# Altium PCB PCB_MotherBoard.PcbDoc (part 1 of 4) (continued)
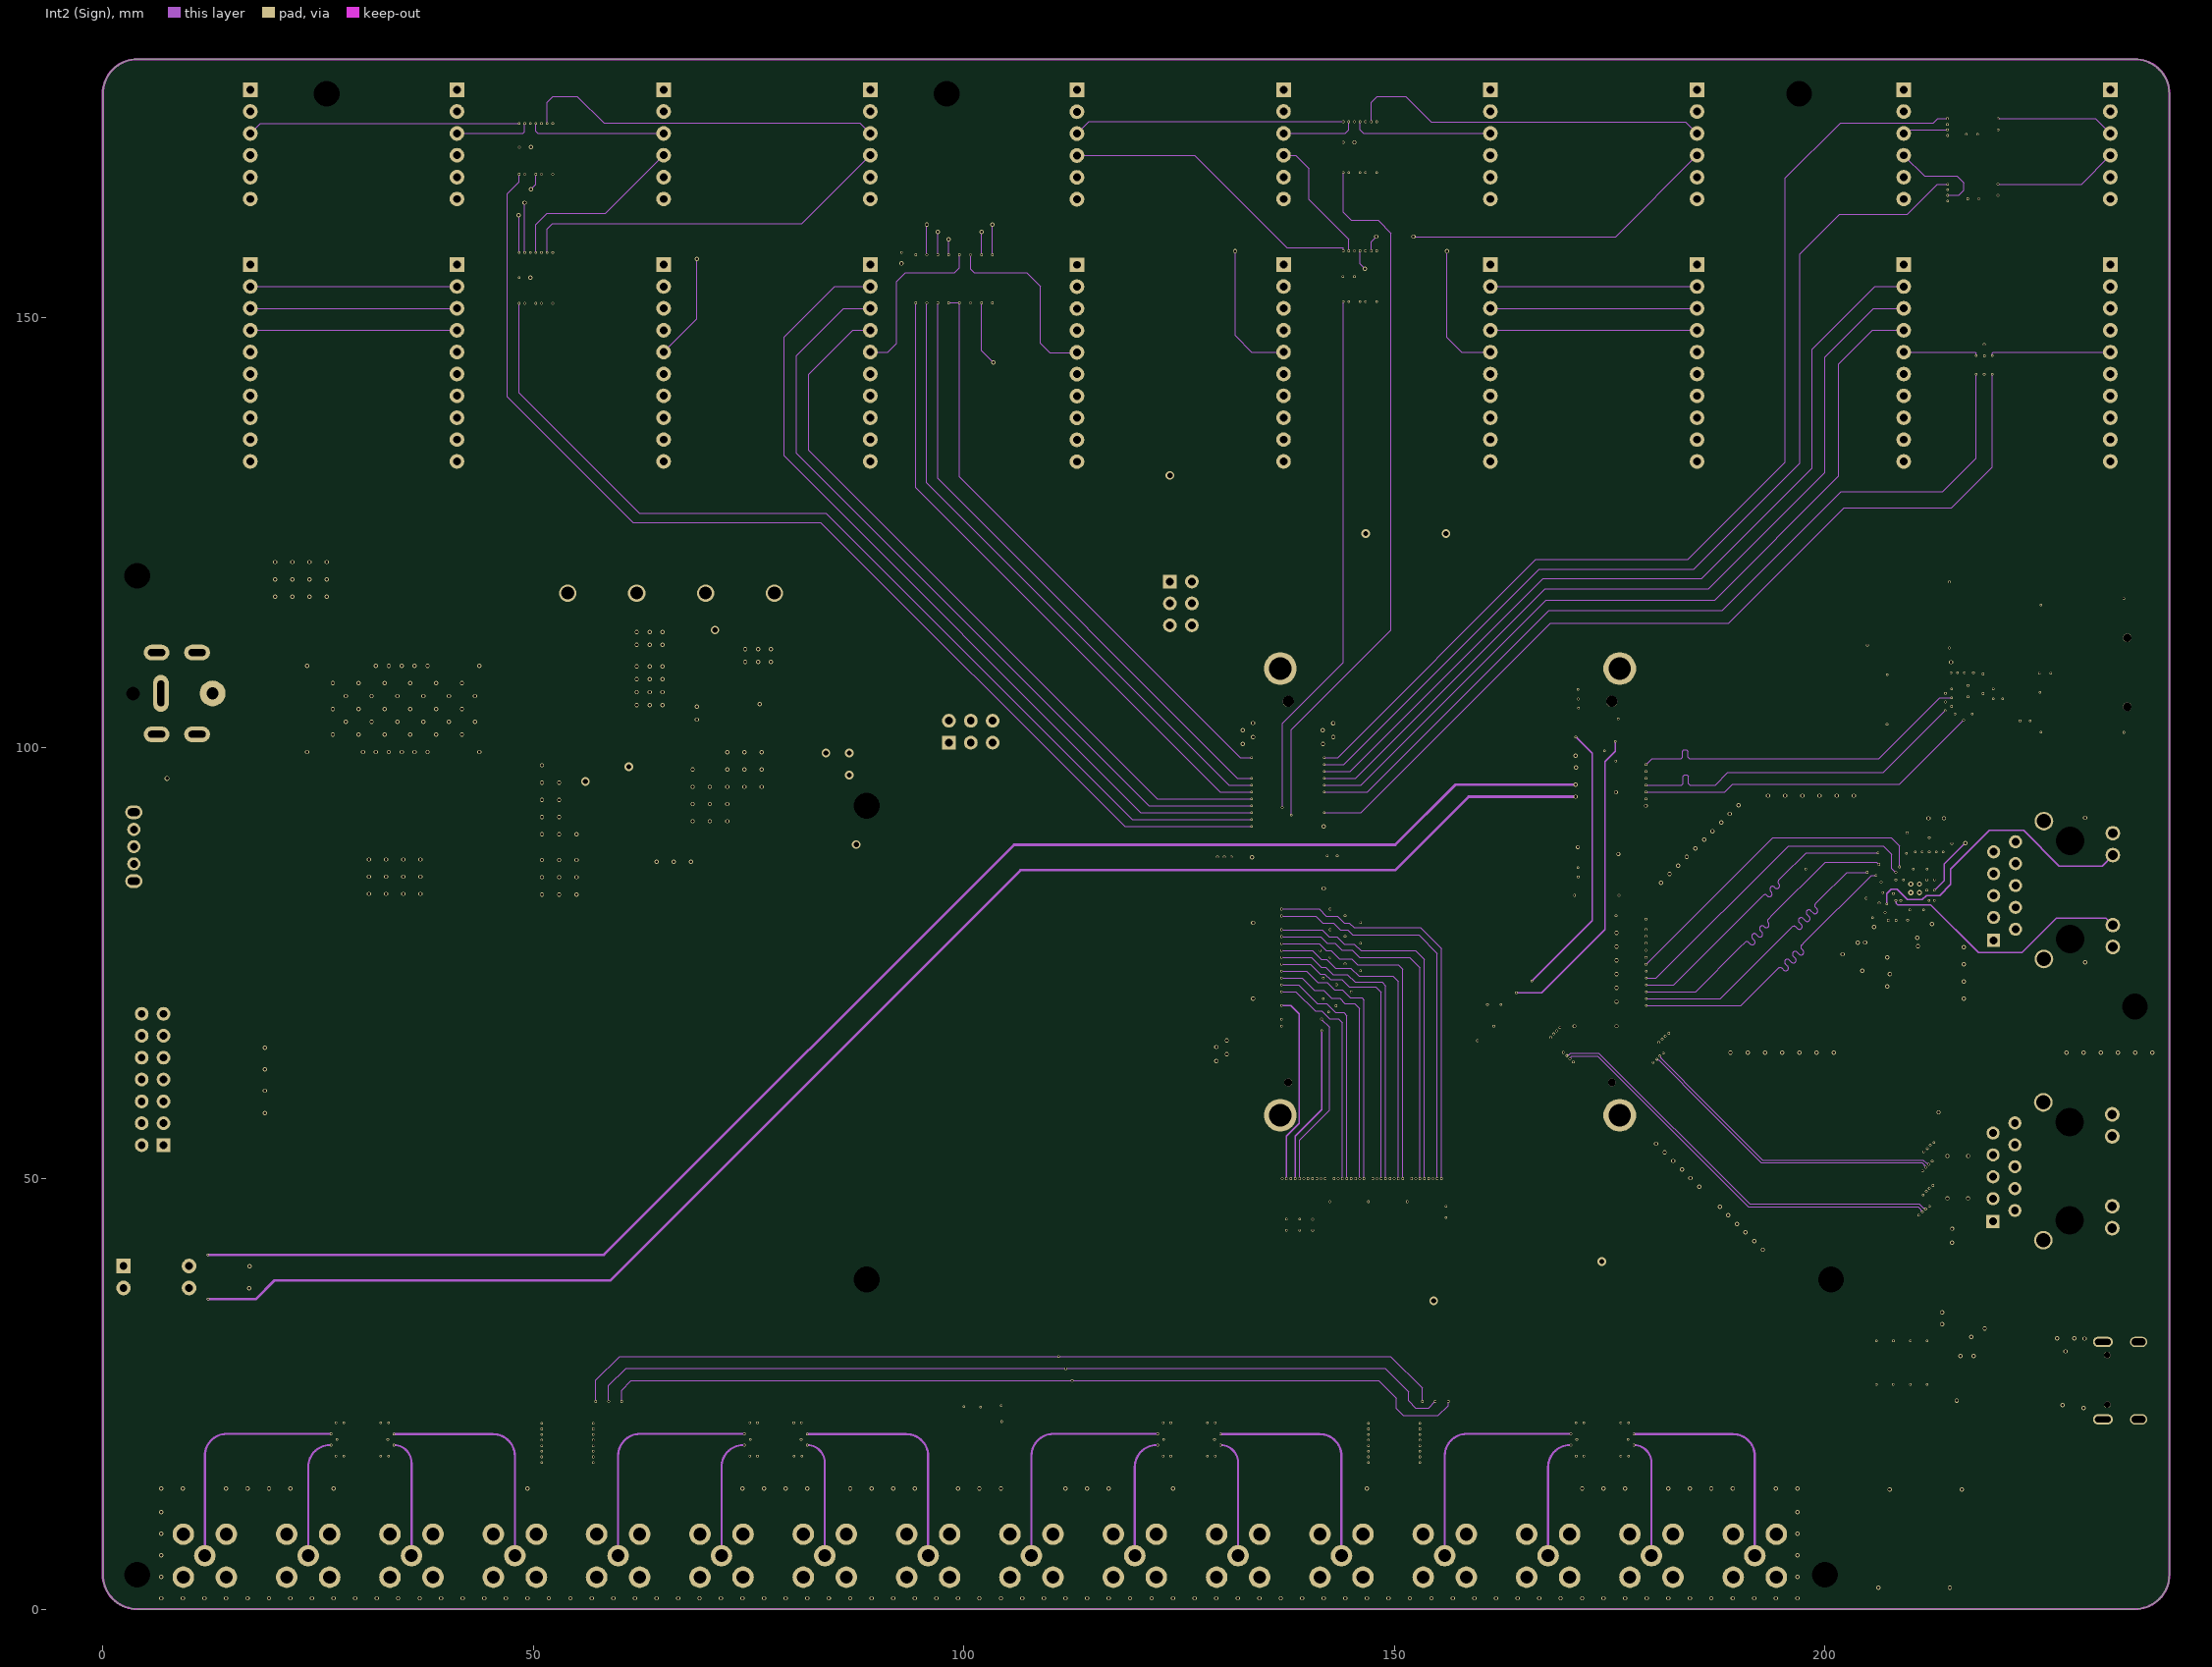
[diagram p3: Int2 (Sign)]
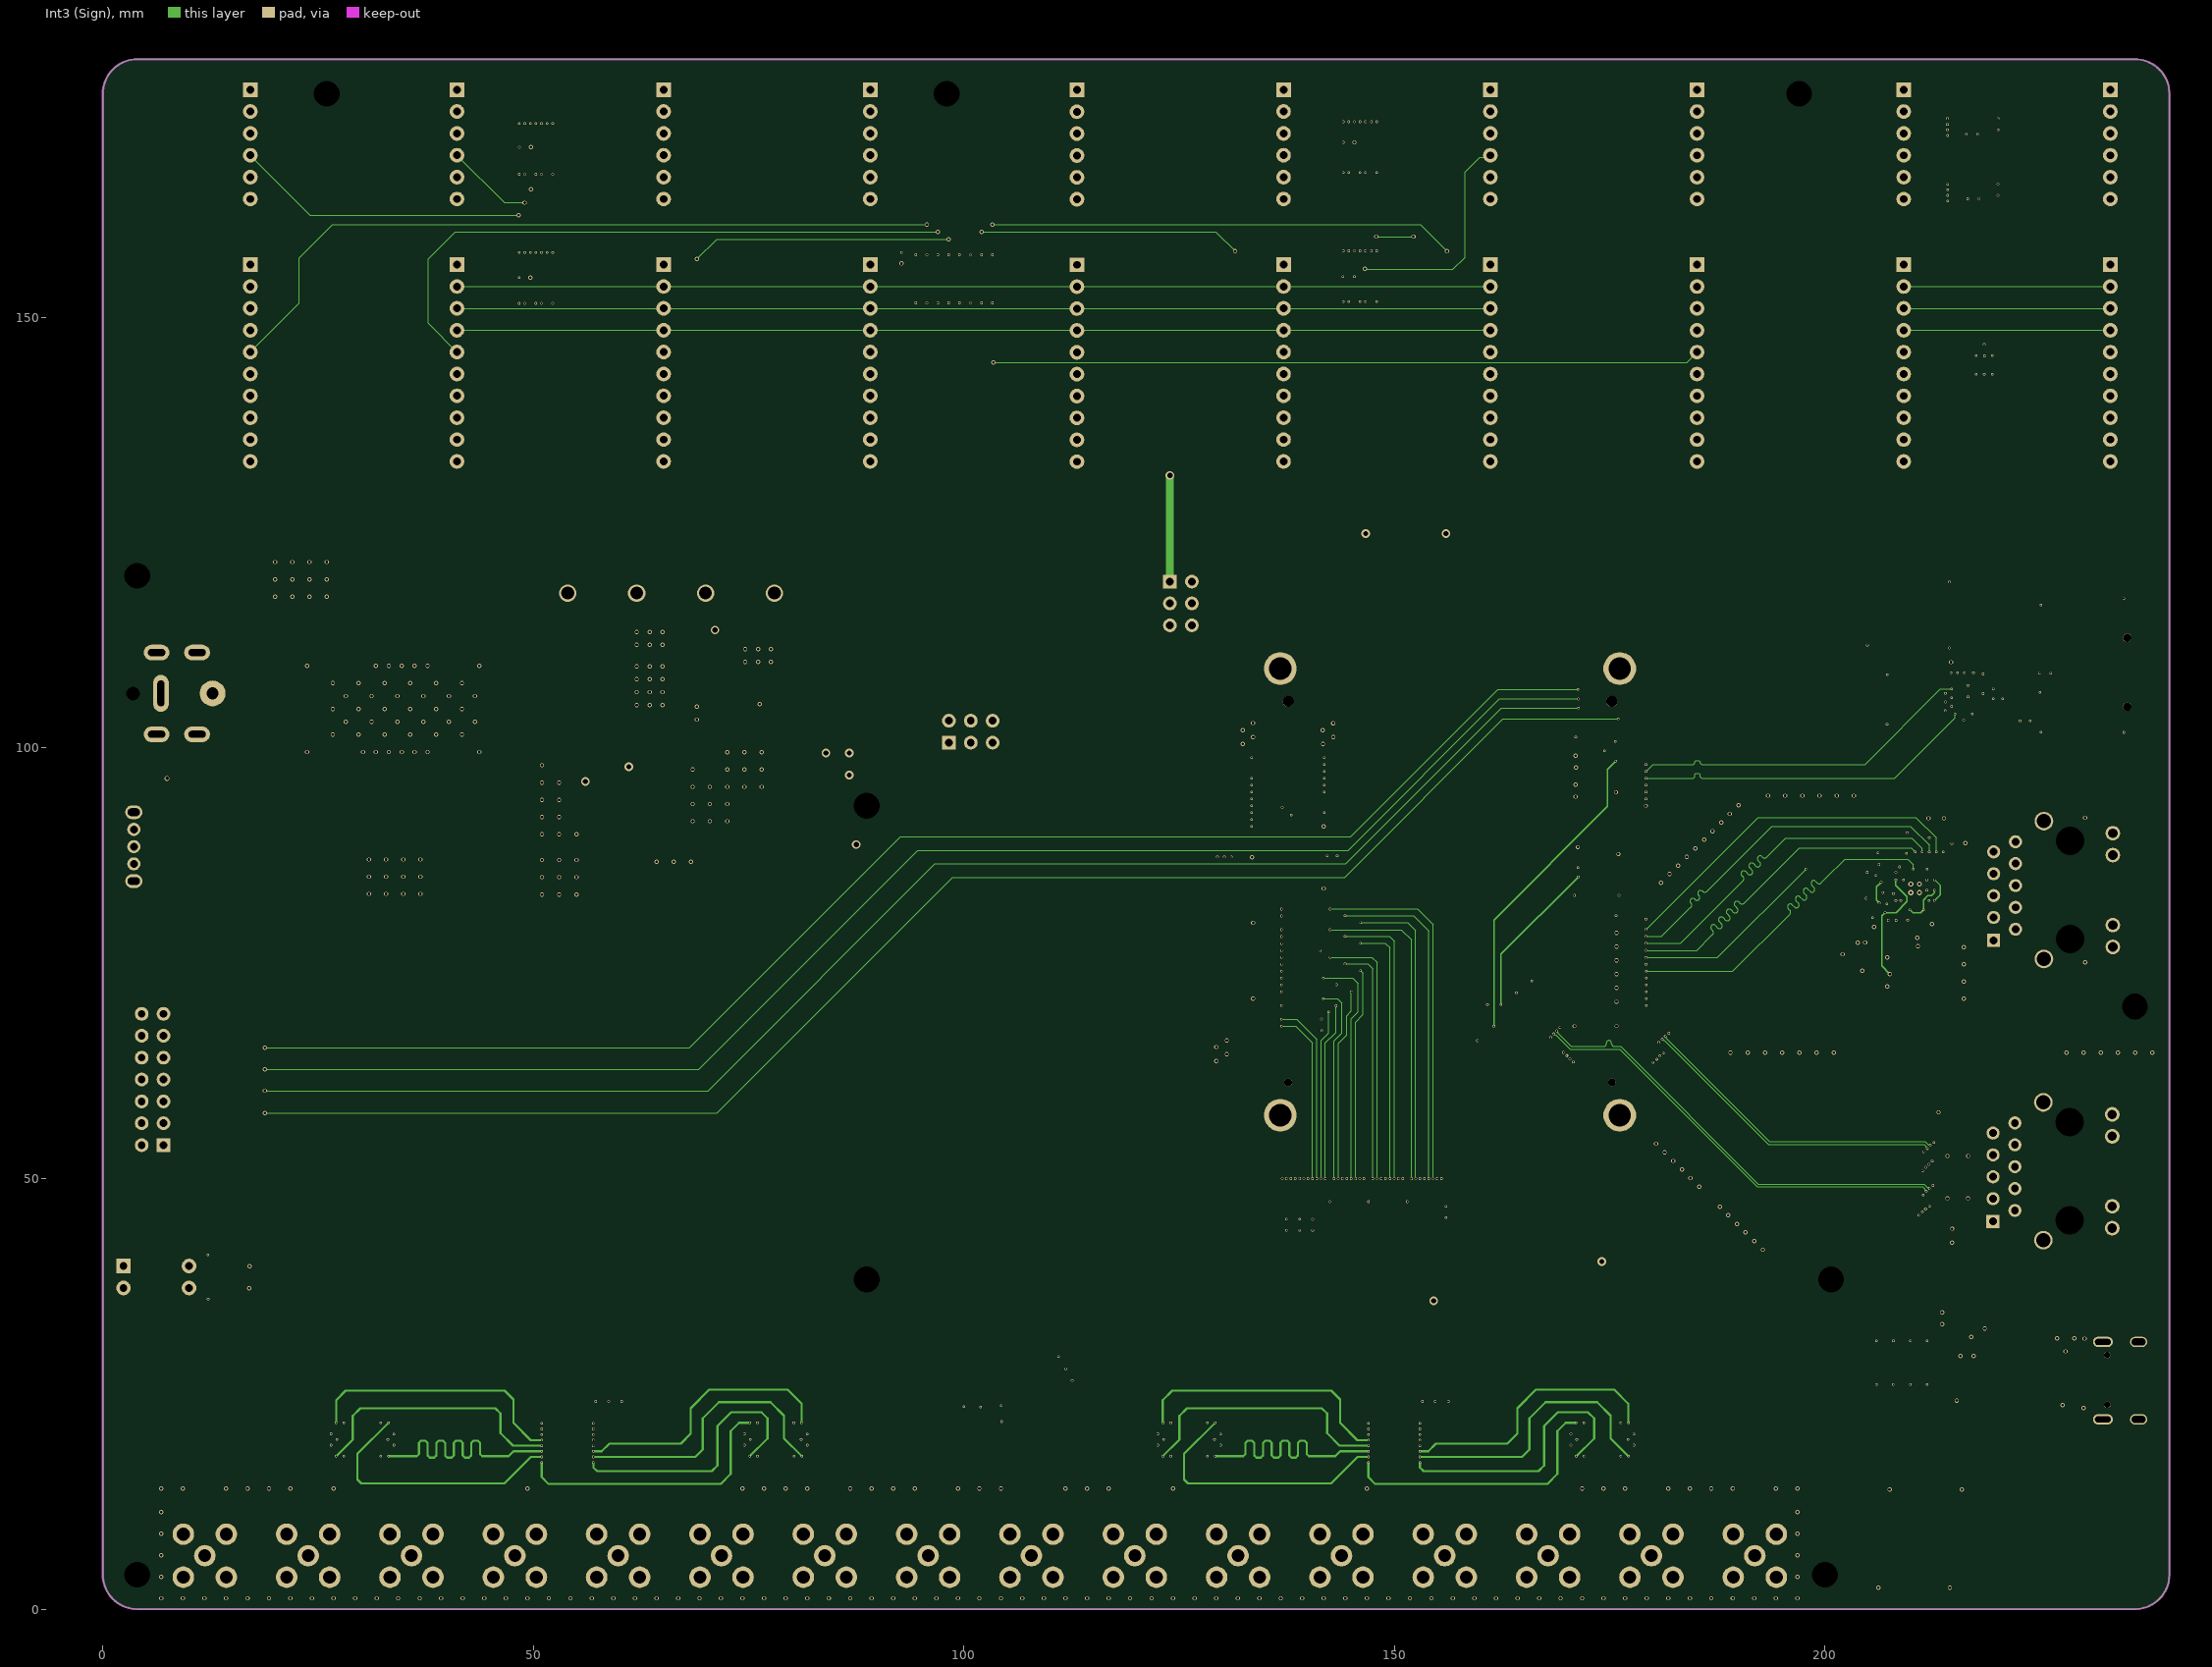
[diagram p4: Int3 (Sign)]
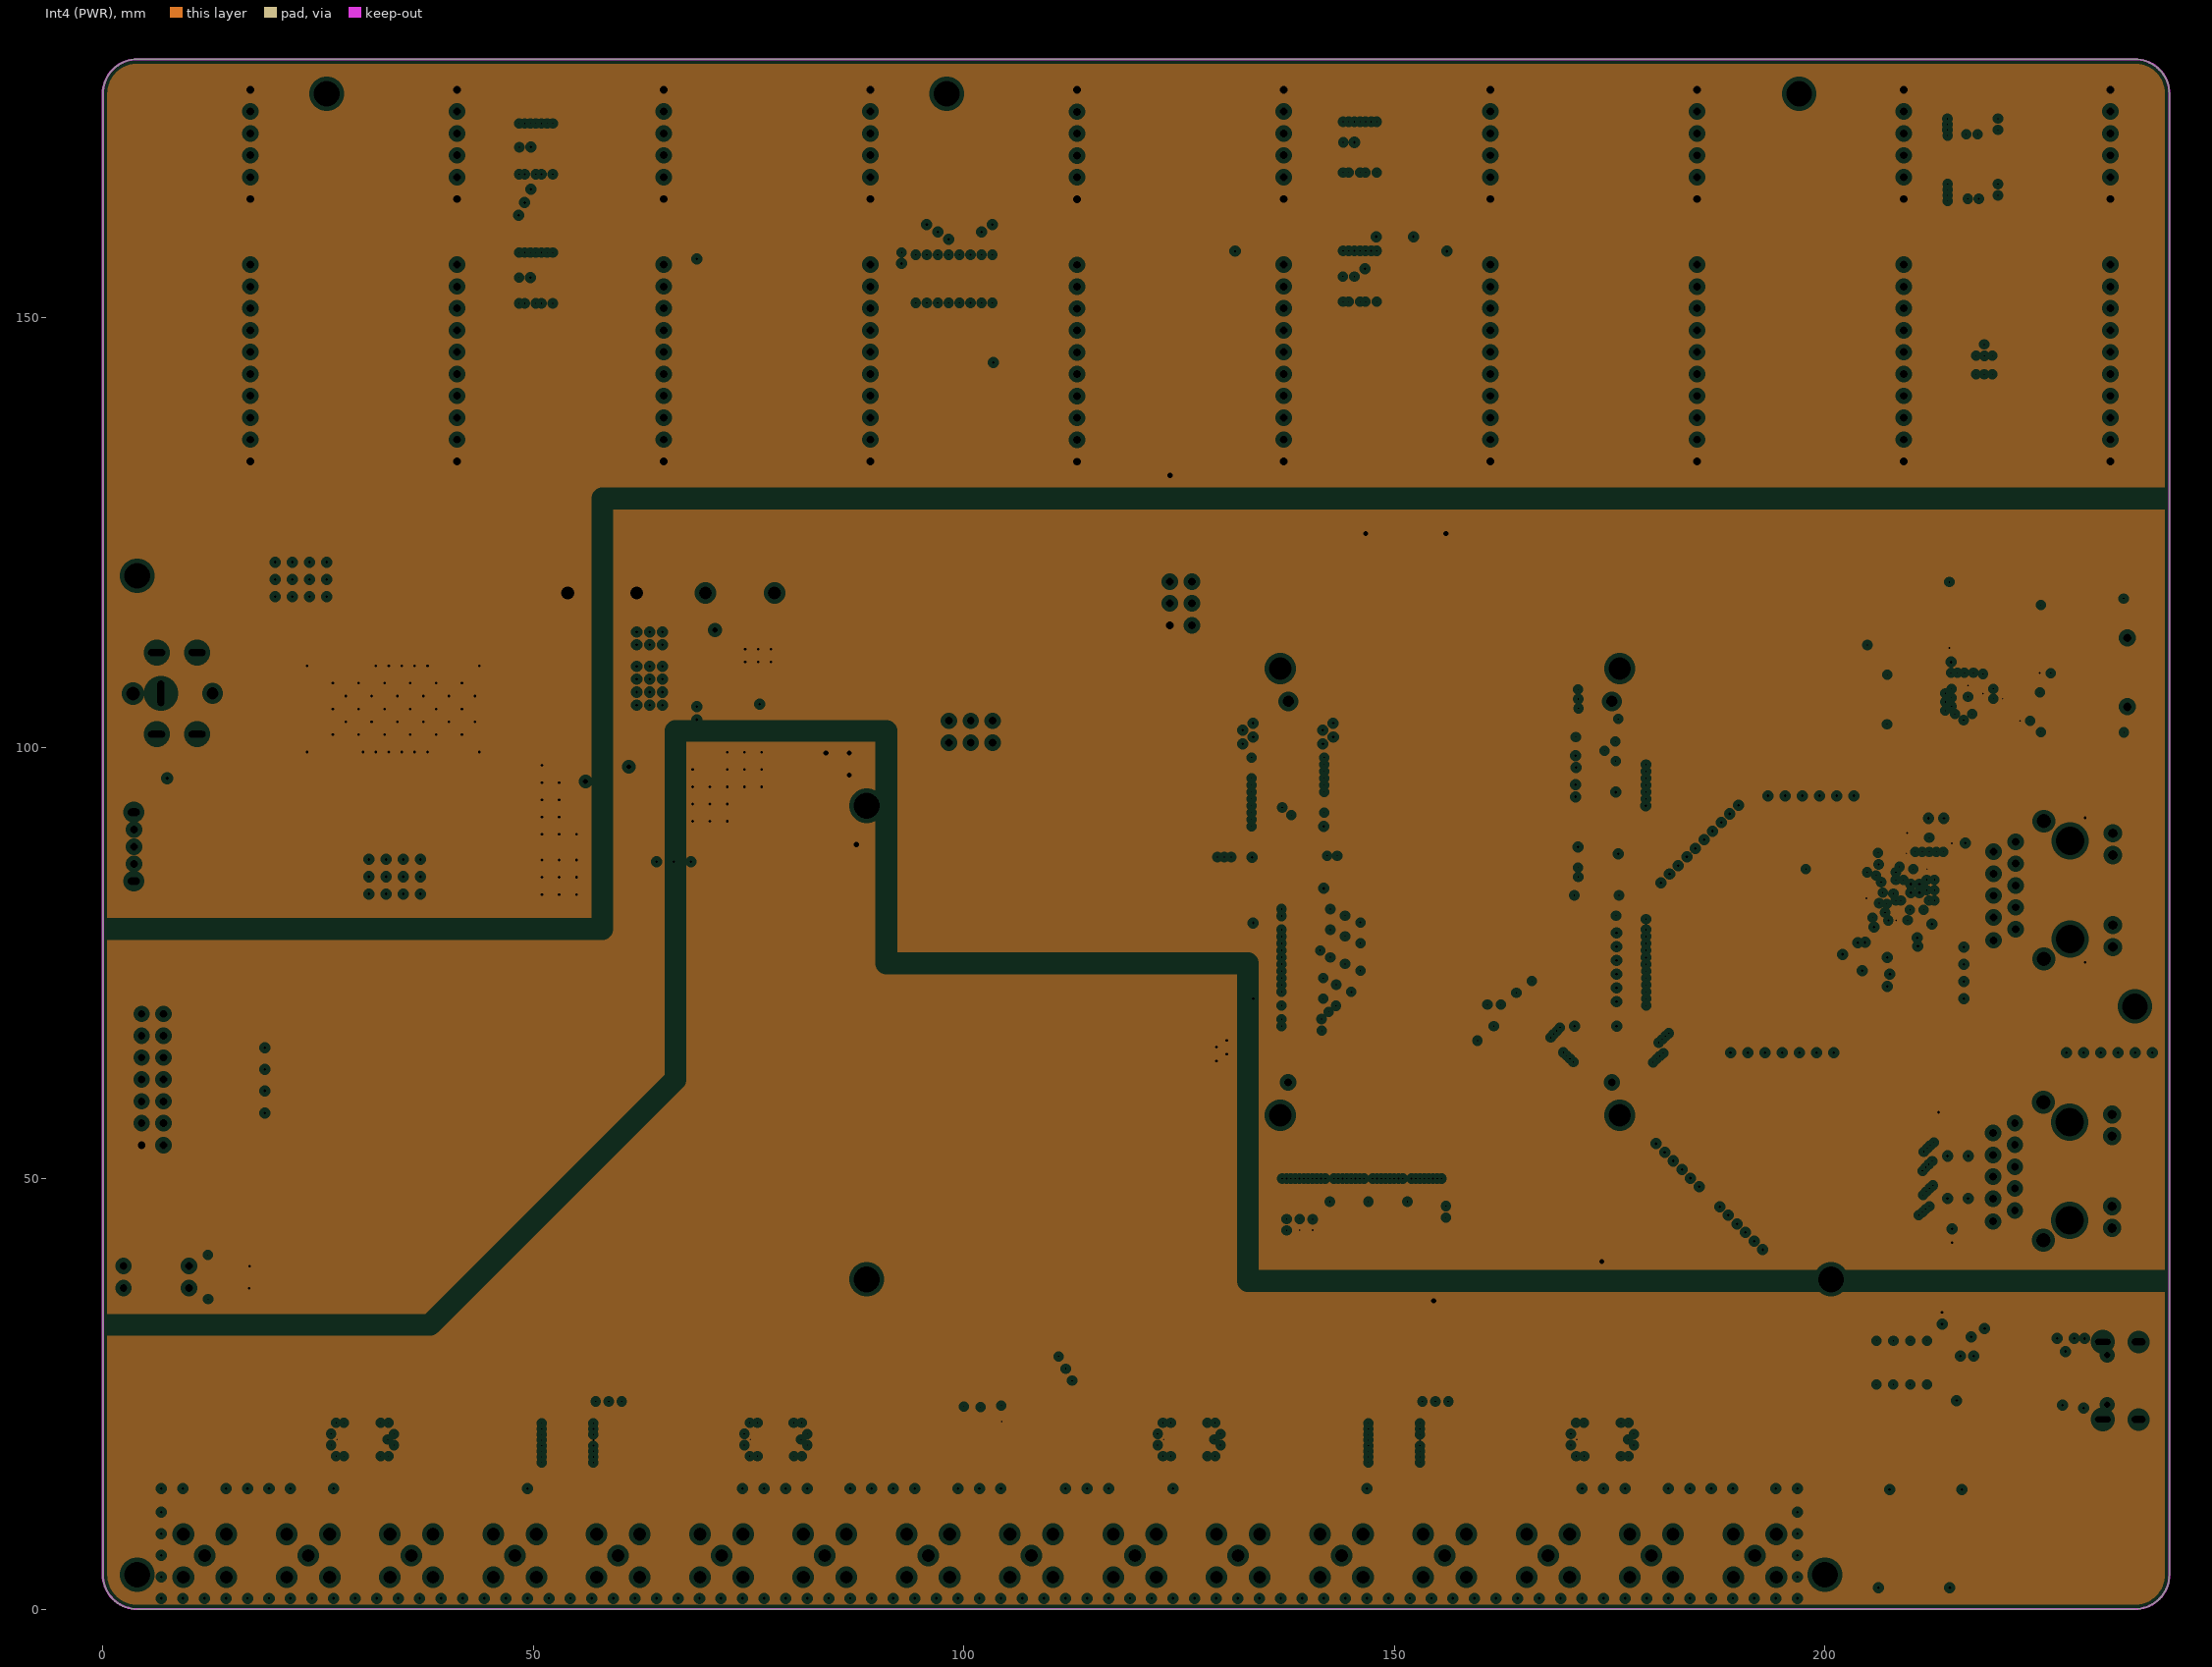
[diagram p5: Int4 (PWR), clearances drawn from the general rule]

## Layer stack, top to bottom
Top Solder: solder mask 0.0254, SM-001, Dk 4
Top Layer: signal copper 0.035
Dielectric 1: prepreg 0.0711, PP-006, Dk 4.1
Dielectric 2: prepreg 0.0711, PP-006, Dk 4.1
Int1 (GND): plane copper 0.0175, net GND
Dielectric 3: core 0.4572, Core-035, Dk 4.7
Int2 (Sign): signal copper 0.0175
Dielectric 4: prepreg 0.0711, PP-006, Dk 4.1
Dielectric 5: prepreg 0.0711, PP-006, Dk 4.1
Int3 (Sign): signal copper 0.0175
Dielectric 6: core 0.4572, Core-035, Dk 4.7
Int4 (PWR): plane copper 0.0175, net (Multiple Nets)
Dielectric 7: prepreg 0.0711, PP-006, Dk 4.1
Dielectric 8: prepreg 0.0711, PP-006, Dk 4.1
Bottom Layer: signal copper 0.035
Bottom Solder: solder mask 0.0254, SM-001, Dk 4

## Board outline
0,4 0,176 cw(c4,176) 4,180 236,180 cw(c236,176) 240,176 240,4 cw(c236,4) 236,0 4,0 cw(c4,4)

## Design rules (kind name [scope] priority, off if disabled: settings)
BoardOutlineClearance [Name = 'GND_ADC'] p1: gap=0.127 ignorepadtopadclearanceinfootprint=FALSE
Clearance Clearance_PolygonADC [All vs InNamedPolygon('GND_ADC')] p1: gap=0.152 ignorepadtopadclearanceinfootprint=TRUE except(0.254: Arc-Via Arc-Fill Arc-Poly Arc-Region Track-Via Track-Fill Track-Poly Track-Region SMDPad-Fill SMDPad-Poly SMDPad-Region THPad-Fill THPad-Poly THPad-Region Via-Fill Via-Poly Via-Region Fill-Fill Fill-Poly Fill-Region Poly-Poly Poly-Region Region-Region; 0.305: SMDPad-THPad)
Clearance Clearance_DiffPairPad [All] p2: gap=0.152 ignorepadtopadclearanceinfootprint=TRUE except(0.305: Via-Via)
Clearance Clearance_RGMII_RXD [InNetClass('RGMII_RXD') vs InNetClass('RGMII_RXD')] p3: gap=0.305 ignorepadtopadclearanceinfootprint=TRUE except(0.152: Arc-SMDPad Track-SMDPad)
Clearance Clearance_RGMII_TXD [InNetClass('RGMII_TXD') vs InNetClass('RGMII_TXD')] p4: gap=0.305 ignorepadtopadclearanceinfootprint=TRUE except(0.152: Arc-SMDPad Track-SMDPad)
Clearance [All] p5: gap=0.152 ignorepadtopadclearanceinfootprint=TRUE except(0.254: Arc-Via Track-Via; 0.305: SMDPad-THPad)
ComponentClearance ComponentClearance_Fan [All] p1: gap=0 collisioncheckmode=3 verticalgap=0 showdistances=FALSE
ComponentClearance [All] p2: gap=0.254 collisioncheckmode=3 verticalgap=0.254 showdistances=FALSE
DiffPairsRouting [InDifferentialPairClass('All Differential Pairs')] p1: maxlimit=0.254 minlimit=0.152 mostfreqgap=0.203 toplayer_minwidth=0.102 toplayer_maxwidth=0.381 toplayer_prefwidth=0.18 midlayer1_minwidth=0.102 midlayer1_maxwidth=0.381 midlayer1_prefwidth=0.18 midlayer2_minwidth=0.102 midlayer2_maxwidth=0.381 midlayer2_prefwidth=0.18 bottomlayer_minwidth=0.102 bottomlayer_maxwidth=0.381 bottomlayer_prefwidth=0.18 maxuncoupledlength=7.62
Height [All] p1: minheight=0 maxheight=127 prefheight=12.7
MatchedLengths MLGroup_SDO [InNetClass('SDO')] p1: tolerance=2.54 checknetsindiffpair=FALSE checkdiffpairvsdiffpair=TRUE checkxsignals=TRUE checkothers=TRUE
MatchedLengths MLGroup_SDI [InNetClass('SDI')] p2: tolerance=2.54 checknetsindiffpair=FALSE checkdiffpairvsdiffpair=TRUE checkxsignals=TRUE checkothers=TRUE
MatchedLengths MLPair_UART [InNetClass('UART')] p3: tolerance=0.508 checknetsindiffpair=FALSE checkdiffpairvsdiffpair=TRUE checkxsignals=TRUE checkothers=TRUE
MatchedLengths MLGroup_RGMII_TX [InNetClass('RGMII_TX')] p4: tolerance=0.508 checknetsindiffpair=FALSE checkdiffpairvsdiffpair=TRUE checkxsignals=TRUE checkothers=TRUE
MatchedLengths MLGroup_RGMII_RX [InNetClass('RGMII_RX')] p5: tolerance=0.508 checknetsindiffpair=FALSE checkdiffpairvsdiffpair=TRUE checkxsignals=TRUE checkothers=TRUE
MatchedLengths MLGroup_AIN [InNetClass('AIN')] p6: tolerance=1.524 checknetsindiffpair=FALSE checkdiffpairvsdiffpair=TRUE checkxsignals=TRUE checkothers=TRUE
MatchedLengths MLPair_PHY1_MDI [InNetClass('PHY1_MDI')] p7: tolerance=0.381 checknetsindiffpair=TRUE checkdiffpairvsdiffpair=FALSE checkxsignals=FALSE checkothers=FALSE
MatchedLengths MLPair_PHY2_MDI [InNetClass('PHY2_MDI')] p8: tolerance=0.381 checknetsindiffpair=TRUE checkdiffpairvsdiffpair=FALSE checkxsignals=FALSE checkothers=FALSE
PlaneClearance PlaneClearance_ADC [InNamedPolygon('GND_ADC')] p1: clearance=0.5
PlaneClearance [All] p2: clearance=0.508
PlaneConnect [All] p1: planeconnectstyle=Direct reliefexpansion=0.508 reliefentries=4 reliefconductorwidth=0.254 reliefairgap=0.254
PolygonConnect [All] p1: connectstyle=Direct reliefconductorwidth=0.254 reliefentries=4 polygonreliefangle="90 Angle" airgapwidth=0.254
RoomDefinition U_LCD_Screen [InComponentClass('U_LCD_Screen')] p1: confinementstyle=ConfineIn formatcopy=TRUE lockcomponents=FALSE outline 159.145,42.731 159.145,54.456 134.295,54.456 134.295,42.731
RoomDefinition U_ADC_Array [InComponentClass('U_ADC_Array')] p2: confinementstyle=ConfineIn formatcopy=TRUE lockcomponents=FALSE outline 7.55,-5.7 196.15,-5.7 196.15,34.8 7.55,34.8
RoomDefinition U_PL_PHY_RJ45 [InComponentClass('U_PL_PHY_RJ45')] p3: confinementstyle=ConfineIn formatcopy=TRUE lockcomponents=FALSE outline 187.2,60.95 240.2,60.95 240.2,97.6 187.2,97.6
RoomDefinition U_CardSlot10 [InComponentClass('U_CardSlot10')] p4: confinementstyle=ConfineIn formatcopy=TRUE lockcomponents=FALSE outline 226.143,131.145 235.143,131.145 235.143,178.145 226.143,178.145
RoomDefinition U_CardSlot6 [InComponentClass('U_CardSlot6')] p5: confinementstyle=ConfineIn formatcopy=TRUE lockcomponents=FALSE outline 130.125,131.15 139.125,131.15 139.125,178.15 130.125,178.15
RoomDefinition U_CardSlot5 [InComponentClass('U_CardSlot5')] p6: confinementstyle=ConfineIn formatcopy=TRUE lockcomponents=FALSE outline 106.125,131.125 115.125,131.125 115.125,178.125 106.125,178.125
RoomDefinition U_CardSlot7 [InComponentClass('U_CardSlot7')] p7: confinementstyle=ConfineIn formatcopy=TRUE lockcomponents=FALSE outline 154.143,131.145 163.143,131.145 163.143,178.145 154.143,178.145
RoomDefinition U_CardSlot8 [InComponentClass('U_CardSlot8')] p8: confinementstyle=ConfineIn formatcopy=TRUE lockcomponents=FALSE outline 178.143,131.145 187.143,131.145 187.143,178.145 178.143,178.145
RoomDefinition U_CardSlot9 [InComponentClass('U_CardSlot9')] p9: confinementstyle=ConfineIn formatcopy=TRUE lockcomponents=FALSE outline 202.143,131.145 211.143,131.145 211.143,178.145 202.143,178.145
RoomDefinition U_CardSlot1 [InComponentClass('U_CardSlot1')] p10: confinementstyle=ConfineIn formatcopy=TRUE lockcomponents=TRUE outline 10.125,131.15 19.125,131.15 19.125,178.15 10.125,178.15
RoomDefinition U_CardSlot2 [InComponentClass('U_CardSlot2')] p11: confinementstyle=ConfineIn formatcopy=TRUE lockcomponents=FALSE outline 34.125,131.15 43.125,131.15 43.125,178.15 34.125,178.15
RoomDefinition U_CardSlot3 [InComponentClass('U_CardSlot3')] p12: confinementstyle=ConfineIn formatcopy=TRUE lockcomponents=FALSE outline 58.125,131.15 67.125,131.15 67.125,178.15 58.125,178.15
RoomDefinition U_CardSlot4 [InComponentClass('U_CardSlot4')] p13: confinementstyle=ConfineIn formatcopy=TRUE lockcomponents=FALSE outline 82.125,131.15 91.125,131.15 91.125,178.15 82.125,178.15
RoomDefinition U_UART_TypeC [InComponentClass('U_UART_TypeC')] p14: confinementstyle=ConfineIn formatcopy=TRUE lockcomponents=FALSE outline 214.151,20.83 239.451,20.83 239.451,36.23 214.151,36.23
RoomDefinition U_PS_RJ45 [InComponentClass('U_PS_RJ45')] p15: confinementstyle=ConfineIn formatcopy=TRUE lockcomponents=FALSE outline 211.7,41 239.7,41 239.7,60.7 211.7,60.7
RoomDefinition U_24V_Supply [InComponentClass('U_24V_Supply')] p16: confinementstyle=ConfineIn formatcopy=TRUE lockcomponents=FALSE outline -2.8,82.5 47.6,82.5 47.6,122.2 -2.8,122.2
RoomDefinition U_5V_and_3V3 [InComponentClass('U_5V_and_3V3')] p17: confinementstyle=ConfineIn formatcopy=TRUE lockcomponents=FALSE outline 80.697,114.625 50.197,114.625 50.197,81.325 80.697,81.325
RoutingVias RoutingVias_DiffPair [InDifferentialPairClass('All Differential Pairs')] p1: holewidth=0.2 width=0.35 viastyle="Through Hole" minholewidth=0.2 minwidth=0.3 maxholewidth=0.711 maxwidth=1.27
RoutingVias [All] p2: holewidth=0.3 width=0.5 viastyle="Through Hole" minholewidth=0.2 minwidth=0.3 maxholewidth=2 maxwidth=3
SolderMaskExpansion [All] p1: expansion=0.102 istentingtop=FALSE
UnRoutedNet [All] p1: checkbadconnections=TRUE
Width Width_RGMII [InNetClass('RGMII_RX') or InNetClass('RGMII_TX')] p1: maxlimit=0.156 minlimit=0.142 preferedwidth=0.156 toplayer_minwidth=0.156 midlayer1_maxwidth=0.142 midlayer1_prefwidth=0.142 midlayer2_maxwidth=0.142 midlayer2_prefwidth=0.142 bottomlayer_minwidth=0.156 minimp=50.000000 maximp=50.000000 favimp=50.000000
Width Width_SDIO [InNetClass('SDI') or InNetClass('SDO')] p2: maxlimit=0.156 minlimit=0.142 preferedwidth=0.156 toplayer_minwidth=0.156 midlayer1_maxwidth=0.142 midlayer1_prefwidth=0.142 midlayer2_maxwidth=0.142 midlayer2_prefwidth=0.142 bottomlayer_minwidth=0.156 minimp=50.000000 maximp=50.000000 favimp=50.000000
Width Width_LCD [InNetClass('LCD_BUS') or InNetClass('LCD_IIC')] p3: maxlimit=0.156 minlimit=0.142 preferedwidth=0.156 toplayer_minwidth=0.156 midlayer1_maxwidth=0.142 midlayer1_prefwidth=0.142 midlayer2_maxwidth=0.142 midlayer2_prefwidth=0.142 bottomlayer_minwidth=0.156 minimp=50.000000 maximp=50.000000 favimp=50.000000
Width Width_JTAG [InNetClass('JTAG')] p4: maxlimit=0.156 minlimit=0.142 preferedwidth=0.156 toplayer_minwidth=0.156 midlayer1_maxwidth=0.142 midlayer1_prefwidth=0.142 midlayer2_maxwidth=0.142 midlayer2_prefwidth=0.142 bottomlayer_minwidth=0.156 minimp=50.000000 maximp=50.000000 favimp=50.000000
Width [All] p5: maxlimit=5.08 minlimit=0.102 preferedwidth=0.254
24 further rules are at their usual default settings.
